# KiCad board IO_SDR_1.1.kicad_pcb (continued)
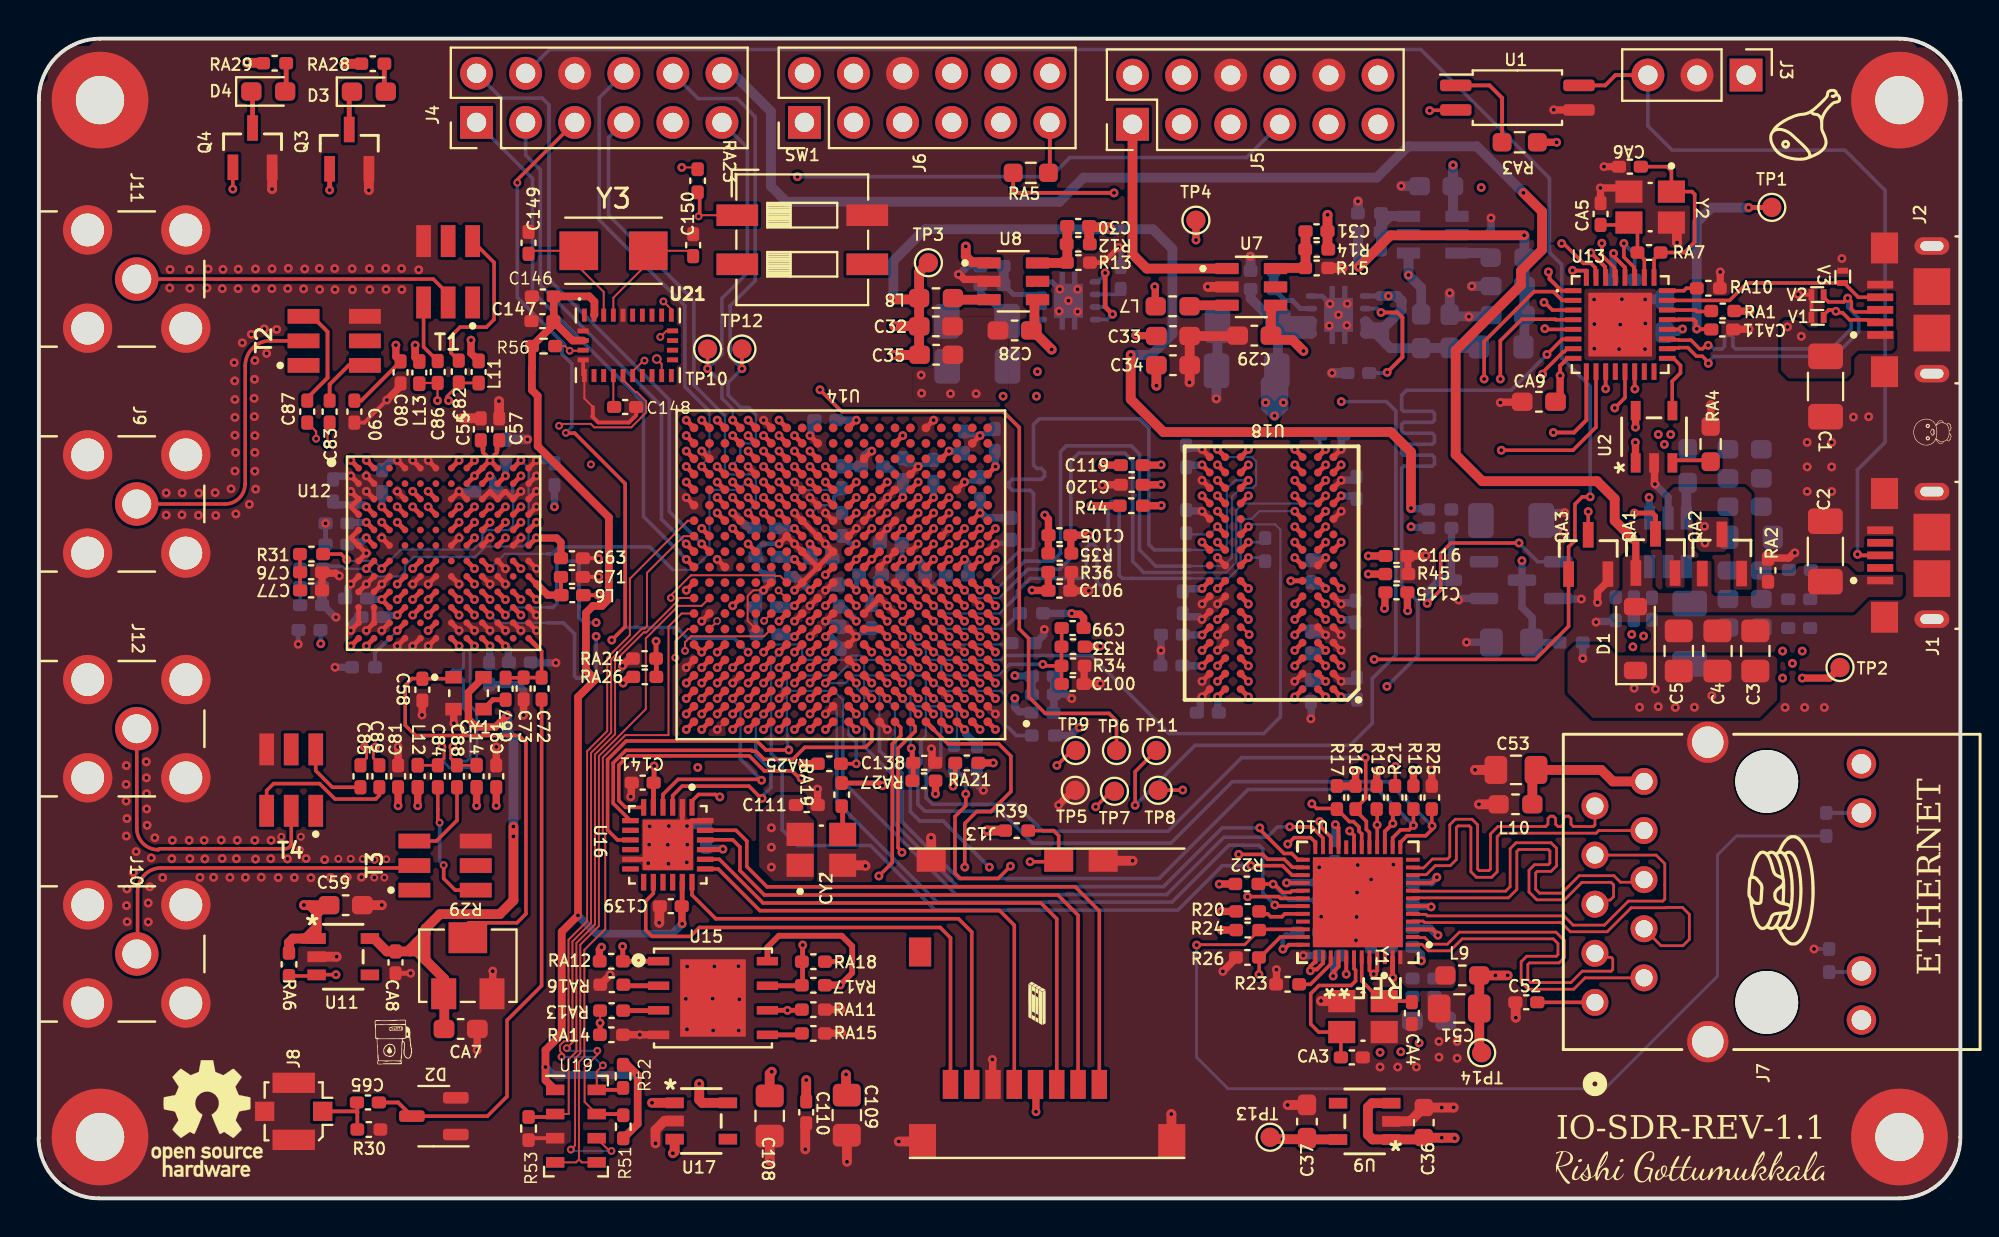
[diagram p0: board, top side]
## Routing (per net, layer and track width the routed paths; a pad name or vN(x,y) marks a point on that pad's centre or on a via; arc(x,y) is an arc through that point) (continued)
PS_MIO36_501_USB0_CLK: length 83.2
  Top.Cu w0.203: U13.1 78.79,46.94 78.18,47.55 78.18,47.86 v1(78.12,47.91)
  Top.Cu w0.254: v1(40.71,24.25) U14.A11
  In2_Sig1.Cu w0.113: v1(40.71,24.25) 40.71,22.25 40.94,22.02 40.94,20.1 41.41,19.62 41.41,19.47 40.75,18.81 40.75,18.65 40.99,18.41 41.15,18.41 42.49,19.76 42.65,19.76 42.89,19.52 42.89,19.36 41.54,18.02 41.54,17.86 41.78,17.62 41.93,17.62 42.6,18.28 42.75,18.28 44.78,16.26 57.35,16.26 62,20.91 65.36,20.91 65.58,21.13 72.44,21.13 78.38,27.06 78.38,36 79.96,37.59 79.96,40.4 79.1,41.26 77.51,41.26 77.34,41.44 77.34,43.93 77.62,44.21 79.57,44.21 79.7,44.33 79.7,46.85 79.37,47.18 78.3,47.18 78.12,47.36 v1(78.12,47.91)
PS_MIO37_501_USB0_D5: length 83.3
  Top.Cu w0.203: v1(78.38,39.61) 79.44,39.61 80.09,40.25 U13.9
  Top.Cu w0.254: U14.A10 v1(42.31,24.25)
  In2_Sig1.Cu w0.113: v1(78.38,39.61) 78.38,39.03 78.49,38.92 78.94,38.92 79.05,38.81 79.05,38.47 78.94,38.36 76.85,38.36 76.74,38.25 76.74,37.92 76.85,37.81 78.25,37.81 78.36,37.69 78.36,37.36 78.25,37.25 76.32,37.25 76.2,37.14 76.2,36.8 76.32,36.69 77.32,36.69 77.43,36.58 77.43,36.24 77.32,36.13 76.32,36.13 76.2,36.02 76.2,35.68 76.32,35.57 77.32,35.57 77.43,35.46 77.43,35.13 77.32,35.01 76.32,35.01 76.2,34.9 76.2,34.57 76.32,34.46 77.32,34.46 77.43,34.35 77.43,34.01 77.32,33.9 77.14,33.9 77.03,33.79 77.03,33.45 77.14,33.34 77.32,33.34 77.43,33.23 77.43,32.89 77.32,32.78 77.28,32.78 77.16,32.67 77.16,32.34 77.28,32.22 77.32,32.22 77.43,32.11 77.43,31.78 77.32,31.67 76.32,31.67 76.2,31.56 76.2,31.22 76.32,31.11 77.32,31.11 77.43,31 77.43,30.66 77.32,30.55 76.32,30.55 76.2,30.44 76.2,30.1 76.32,29.99 77.32,29.99 77.43,29.88 77.43,29.55 77.32,29.43 76.32,29.43 76.2,29.32 76.2,28.99 76.32,28.88 77.32,28.88 77.43,28.76 77.43,28.43 77.32,28.32 76.77,28.32 76.66,28.21 76.66,27.87 76.77,27.76 76.86,27.76 76.97,27.65 76.97,27.49 73.25,23.77 68.61,23.77 66.83,22 65.22,22 65,21.78 61.64,21.78 58.76,18.9 50.23,18.9 49.37,18.04 48.7,18.04 48.59,18.16 48.59,18.88 48.48,18.99 48.14,18.99 48.03,18.88 48.03,18.04 47.92,17.93 47.58,17.93 47.47,18.04 47.47,18.88 47.36,18.99 47.02,18.99 46.91,18.88 46.91,18.16 46.8,18.04 45.79,18.04 42.82,21.02 42.82,22.92 42.31,23.43 v1(42.31,24.25)
PS_MIO38_501_USB0_D6: length 82.2
  Top.Cu w0.186: v1(75.69,38.69) 79.39,38.69 80.59,39.89 U13.10
  Top.Cu w0.254: v1(39.11,27.45) U14.E13
  In2_Sig1.Cu w0.113: v1(39.11,27.45) 39.12,27.45 39.12,27.78 39.18,27.85 41.24,27.85 41.51,27.58 41.51,26.89 42.15,26.25 42.47,26.25 42.71,26.01 42.71,25.69 42.95,25.45 43.27,25.45 43.51,25.21 43.51,24.89 43.75,24.65 44.07,24.65 44.31,24.41 44.31,22.54 44.8,22.05 44.8,21.05 45.94,19.9 48.44,19.9 48.65,20.12 52.32,20.12 52.67,19.77 53.56,19.77 53.82,20.02 53.82,20.94 54.47,21.6 55.29,21.6 55.4,21.49 55.4,20.71 55.51,20.6 55.84,20.6 55.96,20.71 55.96,21.49 56.07,21.6 56.4,21.6 56.51,21.49 56.51,20.92 56.63,20.81 56.96,20.81 57.07,20.92 57.07,21.49 57.18,21.6 57.52,21.6 57.63,21.49 57.63,20.71 57.74,20.6 58.08,20.6 58.19,20.71 58.19,21.49 58.3,21.6 60.1,21.6 61.14,22.65 64.64,22.65 64.86,22.87 66.47,22.87 68.25,24.64 72.89,24.64 75.08,26.82 75.08,27.5 74.96,27.61 74.03,27.61 73.92,27.73 73.92,28.06 74.03,28.17 74.96,28.17 75.08,28.28 75.08,31.76 74.96,31.87 74.62,31.87 74.51,31.98 74.51,32.32 74.62,32.43 75.16,32.43 75.27,32.54 75.27,32.88 75.16,32.99 73.95,32.99 73.84,33.1 73.84,33.43 73.95,33.54 75.16,33.54 75.27,33.66 75.27,33.99 75.16,34.1 73.95,34.1 73.84,34.21 73.84,34.55 73.95,34.66 75.16,34.66 75.27,34.77 75.27,35.11 75.16,35.22 73.95,35.22 73.84,35.33 73.84,35.67 73.95,35.78 74.96,35.78 75.08,35.89 75.08,36.54 75.28,36.74 75.28,38.29 v1(75.69,38.69)
PS_MIO39_501_USB0_D7: length 82.5
  Top.Cu w0.186: v1(81.55,40.88) 82.09,41.41 U13.13
  Top.Cu w0.254: v1(35.11,25.85) U14.C18
  In2_Sig1.Cu w0.113: v1(35.11,25.85) 34.71,25.45 34.71,24.89 34.48,24.65 34.15,24.65 33.91,24.41 33.91,23.92 33.67,23.68 33.67,20.56 34.59,19.64 34.59,18.07 36.67,15.99 39.41,15.99 42.36,13.04 56.54,13.04 57.41,12.18 62.12,12.18 63.52,13.57 64.33,13.57 65.98,15.22 70.15,15.22 70.71,15.78 72.84,15.78 79.24,22.18 79.24,32.32 81.55,34.63 v1(81.55,40.88)
PTI: length 40.7
  Top.Cu w0.203: U1.4 81.06,57.56 81.59,58.1 J3.3 ; J1.3 94.17,33.26 v1(94.12,33.31)
  Bottom.Cu w0.186: v1(94.12,33.31) 94.12,37.66 94.11,37.67 95.55,39.11 95.55,52.13 93.46,54.21 84.52,54.21 83.27,55.47 J3.3
SCL: length 27.5
  Top.Cu w0.186: v1(36.39,42.91) TP12.1
  Top.Cu w0.254: v1(35.91,37.85) U14.U17
  Bottom.Cu w0.113: v1(35.91,37.85) 35.91,37.93 36.31,38.33 36.31,38.81 36.55,39.05 36.87,39.05 37.11,39.28 37.11,40.54
  Bottom.Cu w0.186: J4.10 34.13,56.88 36.14,56.88 37.08,55.94 37.08,47.46 35.78,46.16 35.78,43.52 v1(36.39,42.91) 35.68,42.2 35.68,41.54 36.32,40.9 36.75,40.9 37.11,40.54
SCLK-1: length 36.2
  Top.Cu w0.102: U19.8 28.88,6.56 v2(29.2,6.88) ; U14.P20 33.59,35.05 30.59,32.05 30.59,29.13 29.42,27.96 29.42,24.17 28.38,23.13 28.38,14.33 27.42,13.37 27.42,8.14 27.4,8.13 27.18,8.13 26.97,7.92 26.97,7.62 27.17,7.43 v2(27.06,7.32)
  Top.Cu w0.2: U19.8 30.14,5.61 R52.2
  Bottom.Cu w0.102: v2(29.2,6.88) 29.15,6.88 28.71,7.32 v2(27.06,7.32)
SD0-1: length 35.4
  Top.Cu w0.102: v2(29.64,2.45) 29.54,2.45 U19.6 ; U14.J19 34.31,30.65 33.1,30.65 31.42,28.96 31.42,25.3 28.99,22.88 28.99,14.08 28.03,13.12 28.03,7.5 27.75,7.23 27.75,2.74 v2(27.54,2.52)
  Bottom.Cu w0.102: v2(29.64,2.45) 27.61,2.45 v2(27.54,2.52)
SD_BOOT: length 86
  Top.Cu w0.102: RA13.2 v1(29.05,9.07)
  Top.Cu w0.254: v1(29.05,9.07) 29.05,8.47 RA14.1
  In5_Sig2.Cu w0.113: J5.12 71.95,55.44 71.95,40.44 72.54,39.86 72.54,27.54 65.83,20.84 62.4,20.84 56.53,14.97 51.05,14.97 43.76,7.68 38.8,7.68 36.76,9.71 29.69,9.71 v1(29.05,9.07)
SDA: length 18.9
  Top.Cu w0.186: v1(34.61,42.91) TP10.1
  Top.Cu w0.254: v1(35.91,40.25) U14.Y17
  Bottom.Cu w0.113: v1(35.91,40.25) 35.91,40.83
  Bottom.Cu w0.186: 35.91,40.83 35.36,41.38 35.36,42.17 v1(34.61,42.91) 35.36,43.65 35.36,46.55 36.67,47.87 36.67,54.33 J4.11
SDA-1: length 36.4
  Top.Cu w0.102: U14.N20 33.37,34.25 31.48,32.35 31.48,29.6 31.36,29.47 31.22,29.47 29.62,27.87 29.62,24.09 28.58,23.04 28.58,14.25 27.62,13.29 27.62,8.06 v2(27.33,7.77) ; U19.7 28.25,4.99 28.25,6.77 28.91,7.42 v2(28.91,7.63)
  Top.Cu w0.2: U19.7 30.19,4.36 R51.2
  Bottom.Cu w0.102: v2(28.91,7.63) 27.47,7.63 v2(27.33,7.77)
SDMMC_CLK: length 19.2
  Top.Cu w0.186: U16.9 29.95,18.54 29.44,19.05 29.44,22.69 30.4,23.66 37.16,23.66 37.63,23.19 v1(38.82,23.19)
  Top.Cu w0.254: v1(38.31,26.65) U14.D14
  Bottom.Cu w0.113: v1(38.31,26.65) 38.31,26.58 38.49,26.4 38.49,26.24 38.71,26.01 38.71,24.08 38.75,24.05 38.75,23.68
  Bottom.Cu w0.186: v1(38.82,23.19) 38.75,23.26 38.75,23.68
SDMMC_CMD: length 11.5
  Top.Cu w0.186: v1(37.41,21.63) 37.36,21.67 33.09,21.67 32.31,20.89 U16.4
  Top.Cu w0.254: v1(35.91,25.85) U14.C17
  Bottom.Cu w0.113: v1(35.91,25.85) 35.91,25.77 36.31,25.37 36.31,23.68
  Bottom.Cu w0.186: v1(37.41,21.63) 36.31,22.72 36.31,23.68
SDMMC_D0: length 21
  Top.Cu w0.186: v1(39.46,21.74) 39.36,21.74 38.99,22.11 37.55,22.11 36.77,22.88 30.5,22.88 30.02,22.4 30.02,20.57 30.37,20.22 U16.6
  Top.Cu w0.254: v1(39.91,27.45) U14.E12
  In5_Sig2.Cu w0.113: v1(39.46,21.74) 39.91,21.74 40.15,21.98 40.15,23.47 40.31,23.63 40.31,24.41 40.07,24.65 39.75,24.65 39.51,24.88 39.51,26.97 39.91,27.37 v1(39.91,27.45)
SDMMC_D1: length 18.8
  Top.Cu w0.186: 43.11,24.25 43.11,23.65 42.78,23.33 39.64,23.33 39.02,22.7 37.54,22.7 37.11,23.13 36.93,23.13 36.89,23.17 30.38,23.17 29.73,22.52 29.73,20.43 U16.7
  Top.Cu w0.254: U14.A9 43.11,24.25
SDMMC_D2: length 12.2
  Top.Cu w0.186: v1(35.25,20.76) 35.15,20.76 35.02,20.89 34.15,20.89 33.81,20.55 U16.1
  Top.Cu w0.254: v1(39.11,28.25) U14.F13
  In5_Sig2.Cu w0.113: v1(39.11,28.25) 39.11,28.16 38.71,27.77 38.71,27.29 38.48,27.05 38.15,27.05 37.91,26.81 37.91,26.49 37.68,26.25 37.35,26.25 37.11,26.01 37.11,24.89 36.88,24.65 36.55,24.65 36.31,24.41 36.31,22.88 35.25,21.82 v1(35.25,20.76)
SDMMC_D3: length 11.3
  Top.Cu w0.186: U16.3 32.81,20.83 33.3,21.32 36.75,21.32 37.39,20.69 v1(37.43,20.69)
  Top.Cu w0.254: v1(37.51,25.05) U14.B15
  Bottom.Cu w0.113: v1(37.51,25.05) 37.51,24.98 37.11,24.58 37.11,23.68
  Bottom.Cu w0.186: 37.11,23.68 37.11,22.95 37.89,22.16 37.89,21.25 37.43,20.79 v1(37.43,20.69)
TCK: length 79.3
  Top.Cu w0.186: v1(56.74,20.33) 56.74,22.07 TP11.1
  Top.Cu w0.254: U14.F9 v1(43.11,28.25)
  In5_Sig2.Cu w0.113: v1(56.74,20.33) 55.53,19.13 50.26,19.13 49.71,19.68 43.47,19.68 41.83,21.32 41.83,22.82 41.91,22.91 41.91,25.21 42.15,25.45 42.48,25.45 42.71,25.69 42.71,27.77 43.11,28.16 v1(43.11,28.25) ; v1(67.4,41.21) 67.39,41.21 59.14,49.45 J5.3
  Bottom.Cu w0.186: v1(67.4,41.21) 69.74,41.21 70.23,40.72 70.23,28.11 69.01,26.88 69.01,24.57 67.86,23.43 59.84,23.43 v1(56.74,20.33)
TDI: length 66.6
  Top.Cu w0.186: TP9.1 53.46,23.16 v1(52.69,22.39)
  Top.Cu w0.254: U14.G6 v1(45.51,29.05)
  In5_Sig2.Cu w0.113: J5.5 61.92,55.32 61.92,54.24 63.87,52.28 63.87,46.64 69.06,41.46 69.06,34.16 68.32,33.42 68.32,25.71 65.17,22.57 58.36,22.57 57.69,21.89 53.29,21.89 52.79,22.39 v1(52.69,22.39) 52.58,22.39 52.05,21.85 49.32,21.85 48.53,22.65 47.82,22.65 46.61,23.85 46.15,23.85 45.91,24.09 45.91,25.02 45.91,25.02 45.91,25.21 46.15,25.45 46.47,25.45 46.71,25.68 46.71,26.81 46.47,27.05 46.15,27.05 45.91,27.29 45.91,28.57 45.51,28.96 v1(45.51,29.05)
TDO: length 75.4
  Top.Cu w0.186: 57.93,21.11 57.94,21.11 59.19,21.11 v1(59.2,21.12)
  Top.Cu w0.254: U14.F6 v1(45.51,28.25)
  In5_Sig2.Cu w0.113: v1(45.51,28.25) 45.51,28.16 45.11,27.76 45.11,25.69 44.88,25.45 44.55,25.45 44.31,25.21 44.31,21.93 45.97,20.28 48.61,20.28 49.42,21.09 59.18,21.09 v1(59.2,21.12) 59.22,21.12 59.9,21.8 65.4,21.8 69.04,25.45 69.04,26.79 69.59,27.34 69.59,29.3 69.16,29.73 69.16,30.94 69.94,31.73 69.94,41.03 64.41,46.57 64.41,52.69 63.01,54.09 63.01,56.27 62.4,56.88 60.35,56.88 J5.4
TMS: length 59
  Top.Cu w0.186: TP7.1 55.5,21.05 v1(54.7,20.25)
  Top.Cu w0.254: U14.J6 v1(45.51,30.65)
  In5_Sig2.Cu w0.113: J5.2 55.09,56.57 55.09,50.56 47.85,43.32 47.85,40.17 46.71,39.03 46.71,36.08 46.47,35.85 46.15,35.85 45.91,35.61 45.91,35.28 45.67,35.05 45.35,35.05 45.11,34.81 45.11,31.13 45.51,30.73 v1(45.51,30.65) 45.51,30.56 45.11,30.17 45.11,28.09 44.87,27.85 44.55,27.85 44.31,27.61 44.31,27.29 44.07,27.05 43.75,27.05 43.51,26.81 43.51,25.69 43.28,25.45 42.95,25.45 42.71,25.21 42.71,23.58 43,23.3 43,20.63 43.66,19.97 49.83,19.97 50.38,19.42 53.86,19.42 v1(54.7,20.25)
TX_VCO_1P1V_SUPPLY: length 15.2
  Top.Cu w0.186: v1(15.94,33.03) 15.65,33.32 R31.2
  Top.Cu w0.254: v1(17.75,32.57) 18.15,32.97 ; U12.B11 v1(24.95,37.37)
  Bottom.Cu w0.113: v1(15.94,33.03) 16.01,32.97 17.35,32.97 v1(17.75,32.57) 18.74,33.55 22.5,33.55 22.95,34 22.95,34.33 23.19,34.56 24.32,34.56 24.55,34.8 24.55,36.45 24.52,36.48
  Bottom.Cu w0.186: v1(24.95,37.37) 24.52,36.93 24.52,36.48
UART_RX: length 46.7
  Top.Cu w0.254: U14.E8 v1(43.91,27.45)
  In5_Sig2.Cu w0.113: J5.8 63.09,59.23 55.58,59.23 54.27,57.92 54.27,52.82 46.45,44.99 46.45,41.39 45.91,40.85 45.91,36.08 45.68,35.85 45.33,35.85 45.11,35.63 45.11,35.28 44.87,35.05 44.55,35.05 44.31,34.81 44.31,34.71 44.31,34.7 44.31,27.93 43.91,27.53 v1(43.91,27.45)
UART_TX: length 53.9
  Top.Cu w0.254: U14.D9 v1(43.11,26.65)
  In5_Sig2.Cu w0.113: v1(43.11,26.65) 43.11,26.73 43.51,27.13 43.51,29.14 42.71,29.93 42.71,30.95 42.69,30.97 42.69,31.2 42.71,31.22 42.71,33.69 43.51,34.48 43.51,34.81 43.75,35.05 44.07,35.05 44.31,35.28 44.31,35.61 44.55,35.85 44.87,35.85 45.11,36.08 45.11,44.16 53.84,52.89 53.84,58.23 55.13,59.52 64.72,59.52 65.55,58.68 65.55,56.76 J5.9
USB_ID: length 11.7
  Top.Cu w0.186: J2.4 94.16,46.61 93.43,47.34 V3.2 88.4,47.34 87.5,46.44 U13.23
USB_OTG_CPEN: length 3.2
  Top.Cu w0.186: U13.17 84.59,43.44 84.96,43.08 84.96,42.69 84.53,42.26 84.53,40.88
USB_OTG_N: length 16.3
  Top.Cu w0.182: 92.64,45.96 92.37,45.69 V1.2 ; 92.64,45.96 92.64,45.95 92.93,45.95 v1(93,45.88) 93.07,45.81 93.34,45.81 93.71,45.44 94.6,45.44 94.62,45.41 95.18,45.41 J2.2 ; 92.64,45.96 92.7,45.96 ; U13.19 84.31,44.4 84.85,44.4 84.87,44.39 85.5,44.39 85.94,43.94 86.1,43.94 86.29,44.12 v1(86.39,44.12)
  Bottom.Cu w0.182: v1(93,45.88) 93.07,45.81 93.34,45.81 93.79,45.35 93.79,44.97 92.75,43.93 87.8,43.93 87.67,44.06 87.67,44.51 87.54,44.64 87.37,44.64 87.24,44.51 87.24,44.06 87.1,43.93 86.68,43.93 86.49,44.12 v1(86.39,44.12)
USB_OTG_P: length 16.8
  Top.Cu w0.182: v1(86.4,43.19) 86.4,43.25 86.09,43.56 85.78,43.56 85.34,44 84.87,44 84.85,43.98 84.31,43.98 U13.18 ; V2.2 92.37,46.61 92.61,46.36 93.41,46.36 v1(93.61,46.56) 93.8,46.37 93.8,46.01 93.96,45.85 95.18,45.85 J2.3
  Bottom.Cu w0.182: v1(86.4,43.19) 86.4,43.27 86.68,43.55 92.91,43.55 94.18,44.81 94.18,45.51 93.61,46.08 93.61,46.56 v1(93.61,46.56)
USB_VBUS_OTG: length 2.3
  Top.Cu w0.186: RA1.1 86.52,45.87 85.81,45.87 85.74,45.94 U13.22
USR_BTN: length 96.9
  Top.Cu w0.102: SW1.1 34.21,50.85
  Top.Cu w0.186: RA23.2 34.21,51.92 34.21,50.85 v2(34.15,50.79) ; v1(50.29,17.18) 49.65,16.55 47.69,16.55 47.42,16.82 47.42,19.75 47.97,20.3 v1(47.97,20.91)
  In5_Sig2.Cu w0.113: v1(50.29,17.18) 49.62,17.85 45.88,17.85 44.93,18.81 39.49,18.81 38.25,20.05 35.07,20.05 33.55,21.57 31.59,21.57 31.19,21.98 14.58,21.98 13.96,22.6 13.96,30.44 13.97,30.44 13.97,42.39 14.55,42.97 30.11,42.97 30.93,43.79 30.93,44.37 34.41,47.85 34.41,50.53 v2(34.15,50.79)
  Bottom.Cu w0.186: RA20.2 47.36,22.21 47.59,21.98 47.63,21.98 47.97,21.64 v1(47.97,20.91)
USR_LED: length 97
  Top.Cu w0.254: Q3.1 15.06,53.25 v1(15.06,52.15) 15.06,52.15 ; U14.C8 v1(43.91,25.85)
  In5_Sig2.Cu w0.113: v1(49.19,17.13) 49.12,17.13 48.69,17.56 45.61,17.56 44.66,18.52 39.37,18.52 38.24,19.64 34.89,19.64 33.32,21.22 31.54,21.22 31.11,21.65 13.86,21.65 12.8,22.71 12.8,27.91 12.79,27.92 12.79,29.24 13.65,30.1 13.65,42.52 14.43,43.3 22.45,43.3 22.88,43.73 22.88,45 22.5,45.38 22.5,49.02 21.23,50.29 15.31,50.29 15.06,50.54 v1(15.06,52.15)
  Bottom.Cu w0.113: v1(43.91,25.85) 43.91,25.76 44.31,25.37 44.31,23.68
  Bottom.Cu w0.186: 44.31,23.68 44.31,22.97 45.1,22.17 45.1,20.01 45.59,19.52 46.81,19.52 v1(49.19,17.13)
Net-(C10-Pad1): length 17.2
  Top.Cu w0.508: v1(76.87,49.81) 69.95,49.81 v1(68.31,48.17)
  Bottom.Cu w0.508: R4.1 68.26,49.97 68.26,49.36 ; v1(68.31,48.17) 68.26,48.22 68.26,49.36 ; 68.26,49.36 C10.1 ; v1(76.87,49.81) 76.88,49.79 L1.2 C12.1 76.88,45.69 76.88,44.09 L3.1
Net-(C14-Pad1):
  vias: v1(82.43,29.17) v1(82.49,28.53) v1(83.05,29.08) v1(83.81,39.51) v1(84.12,39) v1(84.45,39.51)
Net-(C76-Pad2): length 1.9
  Top.Cu w0.186: R31.1 13.52,32.39 C76.2 C77.2
Net-(C78-Pad2): length 1.9
  Bottom.Cu w0.186: R32.1 13.52,31.63 C78.2 C79.2
Net-(C82-Pad2): length 8.5
  Top.Cu w0.186: T1.6 23.57,48.4 23.57,45.46 23.17,45.06 21.81,45.06 21.33,44.58 21.33,43.74 C82.2
Net-(C83-Pad2): length 3.1
  Top.Cu w0.2: T2.6 16.04,43.08 15.06,42.1 C83.2
Net-(C84-Pad2): length 6.8
  Top.Cu w0.186: v2(20.96,17.23) 20.96,16.54 21.56,15.94 T3.6 ; C84.2 20.66,19.52 v2(20.75,19.43)
  Bottom.Cu w0.186: v2(20.75,19.43) 20.75,17.44 v2(20.96,17.23)
Net-(C85-Pad2): length 3.8
  Top.Cu w0.186: C85.2 15.2,21.26 14.34,22.12 T4.6
Net-(C86-Pad2): length 3.3
  Top.Cu w0.186: T1.3 19.92,44.04 C86.2
Net-(C87-Pad2): length 5.6
  Top.Cu w0.142: T2.3 14.15,45.62
  Top.Cu w0.2: 14.15,45.62 14.95,44.82 14.95,42.44 13.9,41.39 C87.2
Net-(C88-Pad2): length 4.4
  Top.Cu w0.186: C88.2 21.65,19.55 20.58,18.48 T3.3
Net-(C89-Pad2): length 7.9
  Top.Cu w0.186: T4.3 11.8,21.09 12.16,21.45 14.54,21.45 15.34,20.65 17.44,20.65 17.63,20.84 C89.2
Net-(CY1-Out): length 1.3
  Top.Cu w0.254: CY1.3 23.51,25.79 24.16,25.79
Net-(CY1-Standby): length 23.4
  Top.Cu w0.186: CY1.1 21.39,26.87 19.85,26.87 19.85,26.88 19.32,26.88 18.97,26.53 18.97,24.47 19.5,23.94 24.86,23.94 25.22,23.58 25.22,14.72 24.75,14.25 22.24,14.25
Net-(D3-A): length 1.5
  Top.Cu w0.254: RA28.2 17.89,57.31 D3.2
Net-(D3-K): length 2
  Top.Cu w0.254: D3.1 16.07,57.1 Q3.3
Net-(D4-A): length 1.5
  Top.Cu w0.254: D4.2 12.81,57.3 RA29.2
Net-(D4-K): length 1.9
  Top.Cu w0.254: D4.1 11.07,57.19 Q4.3
Net-(J7-EARTH): length 7.7
  Top.Cu w0.508: L10.2 77.29,21.97 C53.2 80.86,22.16 81.45,21.56 J7.10
Net-(J7-TCT): length 3
  Top.Cu w0.186: C52.2 77.55,10.14 80.53,10.14 J7.1
Net-(J8-In): length 3.2
  Top.Cu w0.2: J8.1 16.44,4.5 16.49,4.45 ; C65.2 16.49,4.94 16.49,4.45 ; 16.49,4.45 R30.1
Net-(Q1-B): length 14.3
  Top.Cu w0.186: v1(71.85,30.77) 72.55,31.47 72.55,33.36 73.08,33.89 v1(76.6,33.89)
  Bottom.Cu w0.186: Q1.1 77.57,32.93 v1(76.6,33.89)
  Bottom.Cu w0.381: v1(71.85,30.77) 71.85,31.35 72.48,31.98 Q2.3 73.11,32.17 R2.2
Net-(Q1-C): length 19.1
  In5_Sig2.Cu w0.113: v1(83.33,36.26) 84.27,35.32 84.27,32.52 83.94,32.19 77.56,32.19 76.77,32.98 v1(76.75,32.98)
  Bottom.Cu w0.381: v1(83.33,36.26) 83.33,35.22 U4.1 ; R3.2 C9.1 77.29,28.78 77.29,30.03 76.75,30.57 Q1.3 76.75,32.98 v1(76.75,32.98)
Net-(QA3-D): length 28.6
  Top.Cu w0.186: QA3.3 v1(80.18,35.52) ; U1.2 73.31,56.28 71.99,56.28 v1(71.98,56.26)
  In5_Sig2.Cu w0.113: v1(71.98,56.26) 75.21,56.26 77.56,53.91 77.56,47.71 79.24,46.03 79.24,36.46 v1(80.18,35.52)
Net-(RA3-Pad2): length 5
  Top.Cu w0.203: U1.1 75.07,57.56 75.73,56.91 RA3.2
Net-(U2-OCB): length 1.9
  Top.Cu w0.203: 84.53,38.18 86.44,38.18
Net-(U3-FB/OUT): length 4.1
  Bottom.Cu w0.508: 69.46,50.33 R5.1 69.59,50.81 69.97,50.81 ; 69.46,50.33 69.46,49.09 C10.2 ; 69.46,50.33 69.94,50.81 69.97,50.81 ; 69.97,50.81 70.86,50.81 U3.6
Net-(U3-LX): length 1.8
  Bottom.Cu w0.508: L1.1 74.9,48.89 73.39,48.89
Net-(U4-LX): length 1.8
  Bottom.Cu w0.508: L4.1 85.26,36.93 U4.3
Net-(U5-FB): length 3.3
  Bottom.Cu w0.254: 63.9,47.03 R8.2 64.5,46.44 64.87,46.44 65.29,46.02 U5.3
  Bottom.Cu w0.508: 63.9,47.03 R9.1
Net-(U5-NR): length 6.2
  Top.Cu w0.203: v1(69.78,42.72) 70.57,43.51 70.57,45.56 70.31,45.82 v1(69.46,45.82)
  Bottom.Cu w0.203: U5.6 69.26,46.02 v1(69.46,45.82) ; v1(69.78,42.72) 69.74,42.69 C24.1
Net-(U6-FB): length 3.1
  Bottom.Cu w0.254: R10.2 50.43,46.75 U6.3
  Bottom.Cu w0.508: R11.1 49.94,47.27 R10.2
Net-(U6-NR): length 1.5
  Bottom.Cu w0.186: U6.6 55.76,46.75 55.99,46.98 C22.1
Net-(U7-FB/OUT): length 3.5
  Top.Cu w0.508: C31.2 65.56,48.14 R15.1 64.03,48.12 64,48.09
Net-(U7-LX): length 2
  Top.Cu w0.508: 61.49,46.19 59.6,46.19 59.55,46.14
Net-(U8-FB/OUT): length 3.4
  Top.Cu w0.508: C30.2 53.23,48.42 R13.1 53.19,48.38 U8.6
Net-(U8-LX): length 1.9
  Top.Cu w0.508: U8.3 47.39,46.48 L8.1
Net-(U10-RSET): length 2.4
  Top.Cu w0.186: U10.39 66.85,12.46 66.85,12.11 65.81,11.07 R23.2
Net-(U12-RBIAS): length 2.9
  Top.Cu w0.254: v1(18.55,29.37) U12.L4
  Bottom.Cu w0.113: 18.16,28.97 v1(18.55,29.37)
  Bottom.Cu w0.186: 18.16,28.97 17.41,28.22 RA8.1
Net-(U13-RBIAS): length 1.6
  Top.Cu w0.186: U13.24 85.13,46.94 85.26,47.07 RA10.1
Net-(U13-VDD33): length 1.7
  Top.Cu w0.186: U13.20 85.01,44.94
  Bottom.Cu w0.381: 84.14,44.79 84.79,44.79 84.96,44.96 v1(85.07,44.96)
Net-(U14C-INIT_B_0): length 1.7
  Top.Cu w0.254: U14.R10 v1(42.31,36.25)
  Bottom.Cu w0.254: v1(42.31,36.25) 42.31,36.23 41.57,35.49 R40.1
Net-(U14C-PROGRAM_B_0): length 1.5
  Top.Cu w0.254: U14.L6 v1(45.51,33.05)
  Bottom.Cu w0.381: R41.1 45.84,32.24 45.71,32.37 45.71,32.83 45.51,33.03 v1(45.51,33.05)
Net-(U14C-VP_0): length 2.3
  Top.Cu w0.254: U14.K9 v1(43.11,31.45)
  Bottom.Cu w0.254: 43.52,32.24 43.48,32.24 43.29,32.05 43.29,31.68 43.11,31.5 v1(43.11,31.45) 43.1,31.44 43.1,30.69 R43.1
Net-(U14G-PS_DDR_VRN_502): length 4.8
  Top.Cu w0.254: U14.G5 v1(46.31,29.05)
  Bottom.Cu w0.113: 50.18,28.65 46.71,28.65 v1(46.31,29.05)
  Bottom.Cu w0.186: 50.18,28.65 50.29,28.65 R38.1
Net-(U14G-PS_DDR_VRP_502): length 5.5
  Top.Cu w0.254: U14.H5 v1(46.31,29.85)
  Bottom.Cu w0.113: 50.18,29.7 49.93,29.45 46.71,29.45 v1(46.31,29.85)
  Bottom.Cu w0.186: R37.1 50.74,30.26 50.18,29.7
Net-(U14H-PS_CLK_500): length 9.6
  Top.Cu w0.254: v1(43.67,21.34) 43.53,21.48 RA19.1 ; U14.E7 v1(44.71,27.45)
  In5_Sig2.Cu w0.113: v1(43.67,21.34) 43.67,23.24 43.51,23.39 43.51,25.21 43.75,25.45 44.08,25.45 44.31,25.69 44.31,26.97 44.71,27.36 v1(44.71,27.45)
Net-(U14H-PS_MIO7_500): length 9.3
  Top.Cu w0.254: RA21.1 47.43,21.44 v1(47.31,21.32) ; U14.D8 v1(43.91,26.65)
  In2_Sig1.Cu w0.113: v1(43.91,26.65) 43.99,26.65 44.16,26.48 44.32,26.48 44.55,26.25 44.87,26.25 45.11,26.01 45.11,25.69 45.35,25.45 45.67,25.45 45.91,25.21 45.91,24.89 46.15,24.65 46.47,24.65 46.71,24.41 46.71,23.83 47.31,23.23 v1(47.31,21.32)
Net-(U14H-PS_MIO8_500): length 7.7
  Top.Cu w0.254: U14.D5 v1(46.31,26.65)
  Bottom.Cu w0.113: 50.18,24.34 50.03,24.5 50.03,26.02 49.8,26.25 46.79,26.25 46.39,26.65 v1(46.31,26.65)
  Bottom.Cu w0.186: 50.18,24.34 50.59,23.94 RA22.1
Net-(U14H-PS_MIO14_500): length 3.9
  Top.Cu w0.254: U14.C5 v1(46.31,25.85)
  Bottom.Cu w0.113: v1(46.31,25.85) 46.39,25.85 46.79,25.45 47.27,25.45 47.51,25.21 47.51,23.68
  Bottom.Cu w0.186: RA20.1 47.51,23.59 47.51,23.68
Net-(U14I-PS_MIO_VREF_501): length 15.7
  Top.Cu w0.254: v1(40.71,27.45) U14.E11 ; RA26.2 31.96,27.91 31.95,27.92 31.95,28.81 v1(31.95,28.81)
  In5_Sig2.Cu w0.113: v1(40.71,27.45) 40.31,27.85 40.31,28.41 40.08,28.65 38.95,28.65 38.71,28.41 38.71,28.08 38.47,27.85 38.15,27.85 37.91,27.61 37.91,27.21 37.75,27.05 37.35,27.05 37.11,26.81 37.11,26.49 36.88,26.25 36.52,26.25 36.31,26.46 36.31,27.75 34.96,29.11 32.24,29.11 v1(31.95,28.81)
Net-(U14I-PS_SRST_B_501): length 4.3
  Top.Cu w0.186: RA25.1 42.3,22.48 v1(42.31,22.48)
  Top.Cu w0.254: U14.B10 v1(42.31,25.05)
  Bottom.Cu w0.113: v1(42.31,25.05) 41.91,24.65 41.91,24
  Bottom.Cu w0.186: 41.91,24 42.31,23.61 v1(42.31,22.48)
Net-(U18-ZQ0): length 2.4
  Top.Cu w0.254: v1(61,34.74) U18.L8
  Bottom.Cu w0.113: v1(61,34.74) 60.6,34.34 59.58,34.34
  Bottom.Cu w0.186: 59.33,34.39 59.38,34.34 59.58,34.34
Net-(U21-CAP): length 1.6
  Top.Cu w0.102: U21.9 29.74,40.97 C148.1
Net-(U21-XIN32): length 6.5
  Top.Cu w0.102: C149.1 25.51,49.01 Y3.1 27.95,48.17 29.24,46.88 U21.27
Net-(U21-XOUT32): length 6.5
  Top.Cu w0.102: C150.1 33.59,49.01 Y3.2 31.55,48.39 29.74,46.58 U21.26

## Copper pours and planes (outline as drawn; the poured copper is in the pictures)
+1V0 on In3_PWR1.Cu: 45.33,47.43 46.55,46.21 46.55,40.73 47.34,39.94 51.45,39.94 53.51,37.88 53.51,21.47 51.86,19.82 32.58,19.82 29.76,22.64 29.76,46.92 30.27,47.43
+1V2 on Bottom.Cu: 52.11,46.29 52.22,46.19 52.22,41.31 51.94,41.03 49.6,41.03 49.37,41.26 49.37,46.24 49.42,46.29
+1V2 on In4PWR2.Cu: 26.16,47.79 53.84,47.79 54.43,47.2 54.43,41.67 53.23,40.47 45.79,40.47 44.7,41.56 28.82,41.56 27.83,40.55 27.83,20.46 24.94,17.56 15.97,17.56 12.87,20.66 12.87,47 13.63,47.76 23.72,47.76
+1V5 on In4PWR2.Cu: 56.61,52.18 54.68,50.25 54.68,41.55 53.32,40.19 46.23,40.19 46.08,39.83 46.1,23.66 46.38,23.26 51.18,23.26 53.08,25.16 56.97,25.16 58.59,23.53 70.28,23.53 73.2,26.45 73.2,47.86 68.88,52.18
+1V8 on Top.Cu: 38.19,20.86 37.28,19.95 37.28,17.15 38.02,16.42 40,16.42 40.13,16.55 40.13,19.52 39.59,20.05 39.59,20.79 39.52,20.86
+1V8 on Bottom.Cu: 88.46,26.91 88.99,26.38 91.43,26.38 91.76,26.71 91.76,28.34 91.05,29.05 91.05,34.6 90.7,34.96 88.64,34.96 88.46,34.78
+1V8 on In4PWR2.Cu: 0,-0.02 62.1,-0.02 99.46,-0.02 99.46,59.96 0,59.96
+3V3 on Bottom.Cu: 33.34,18.58 31.64,16.88 31.64,3.87 32.68,2.83 52.85,2.83 53.33,3.31 53.33,8.04 52.01,9.36 39.34,9.36 36.9,11.8 36.9,18.37 36.7,18.58
+5VA on Top.Cu: 81.65,28.08 81.1,28.64 79.5,28.64 79.11,28.25 79.11,26.15 80.41,24.85 89.05,24.85 89.96,25.77 89.96,27.9 89.78,28.08
+5VA on Top.Cu: 85.97,35.24 85.77,35.04 85.77,33.66 86,33.44 87.22,33.44 87.45,33.66 87.45,35.16 87.37,35.24
+5VA on Bottom.Cu: 84.91,32.24 84.91,33.39 85.79,34.27 85.79,35.16 85.92,35.29 86.43,35.29 86.56,35.16 86.56,29.32 86.18,28.94 84.52,28.94 84.14,29.32 84.14,31.48
+5VA on In3_PWR1.Cu: 0,0 62.1,0 99.46,0 99.46,59.98 0,59.98
+5VD on Top.Cu: 83.18,29.8 81.71,29.8 81.45,30.06 81.45,31.02 81.96,31.53 81.96,33.11 82.11,33.26 83.31,33.26 83.51,33.06 83.51,31.61 83.81,31.3 85.44,31.3 85.54,31.4 85.54,32.88 85.62,32.95 86.56,32.95 86.56,31.3 86.71,31.15 88.79,31.15 88.89,31.25 88.89,32.24 88.99,32.34 90.75,32.34 91.1,32.7 93.57,32.7 94.02,32.24 96.44,32.24 96.46,32.22 96.46,31.23 96.34,31.1 94.68,31.1 93.9,30.31 83.69,30.31
+5VP on Top.Cu: 90.16,45.25 90.34,45.43 91.03,45.43 91.56,44.88 95.99,44.88 96.02,44.85 96.02,43.98 95.88,43.84 94.13,43.84 93.79,43.5 93.79,42.65 93.55,42.41 90.56,42.41 90.16,42.81
+5VP on In5_Sig2.Cu: 84.07,46.95 80.99,43.88 80.99,35.06 81.45,34.6 83.74,34.6 84.63,35.49 84.63,36.31 91.92,43.6 91.92,46.34 91.31,46.95
+15V on In3_PWR1.Cu: 57.7,40.93 57.24,40.47 57.24,30.06 58.64,28.66 69.89,28.66 70.94,29.7 70.94,33.39 69.69,34.63 69.69,40.07 68.83,40.93
+36V on In4PWR2.Cu: 76.12,17.82 77.64,16.29 77.64,10.54 76.44,9.34 63.36,9.34 61.92,10.78 61.92,16.86 62.87,17.82
GND on Top.Cu: 45.41,41.21 45.23,41.39 45.23,42.76 45.46,42.99 46.25,42.99 46.7,43.44 46.7,45.53 46.78,45.6 49.93,45.6 50.18,45.35 50.18,41.77 49.62,41.21
